# KiCad board BadgeClassBase.kicad_pcb
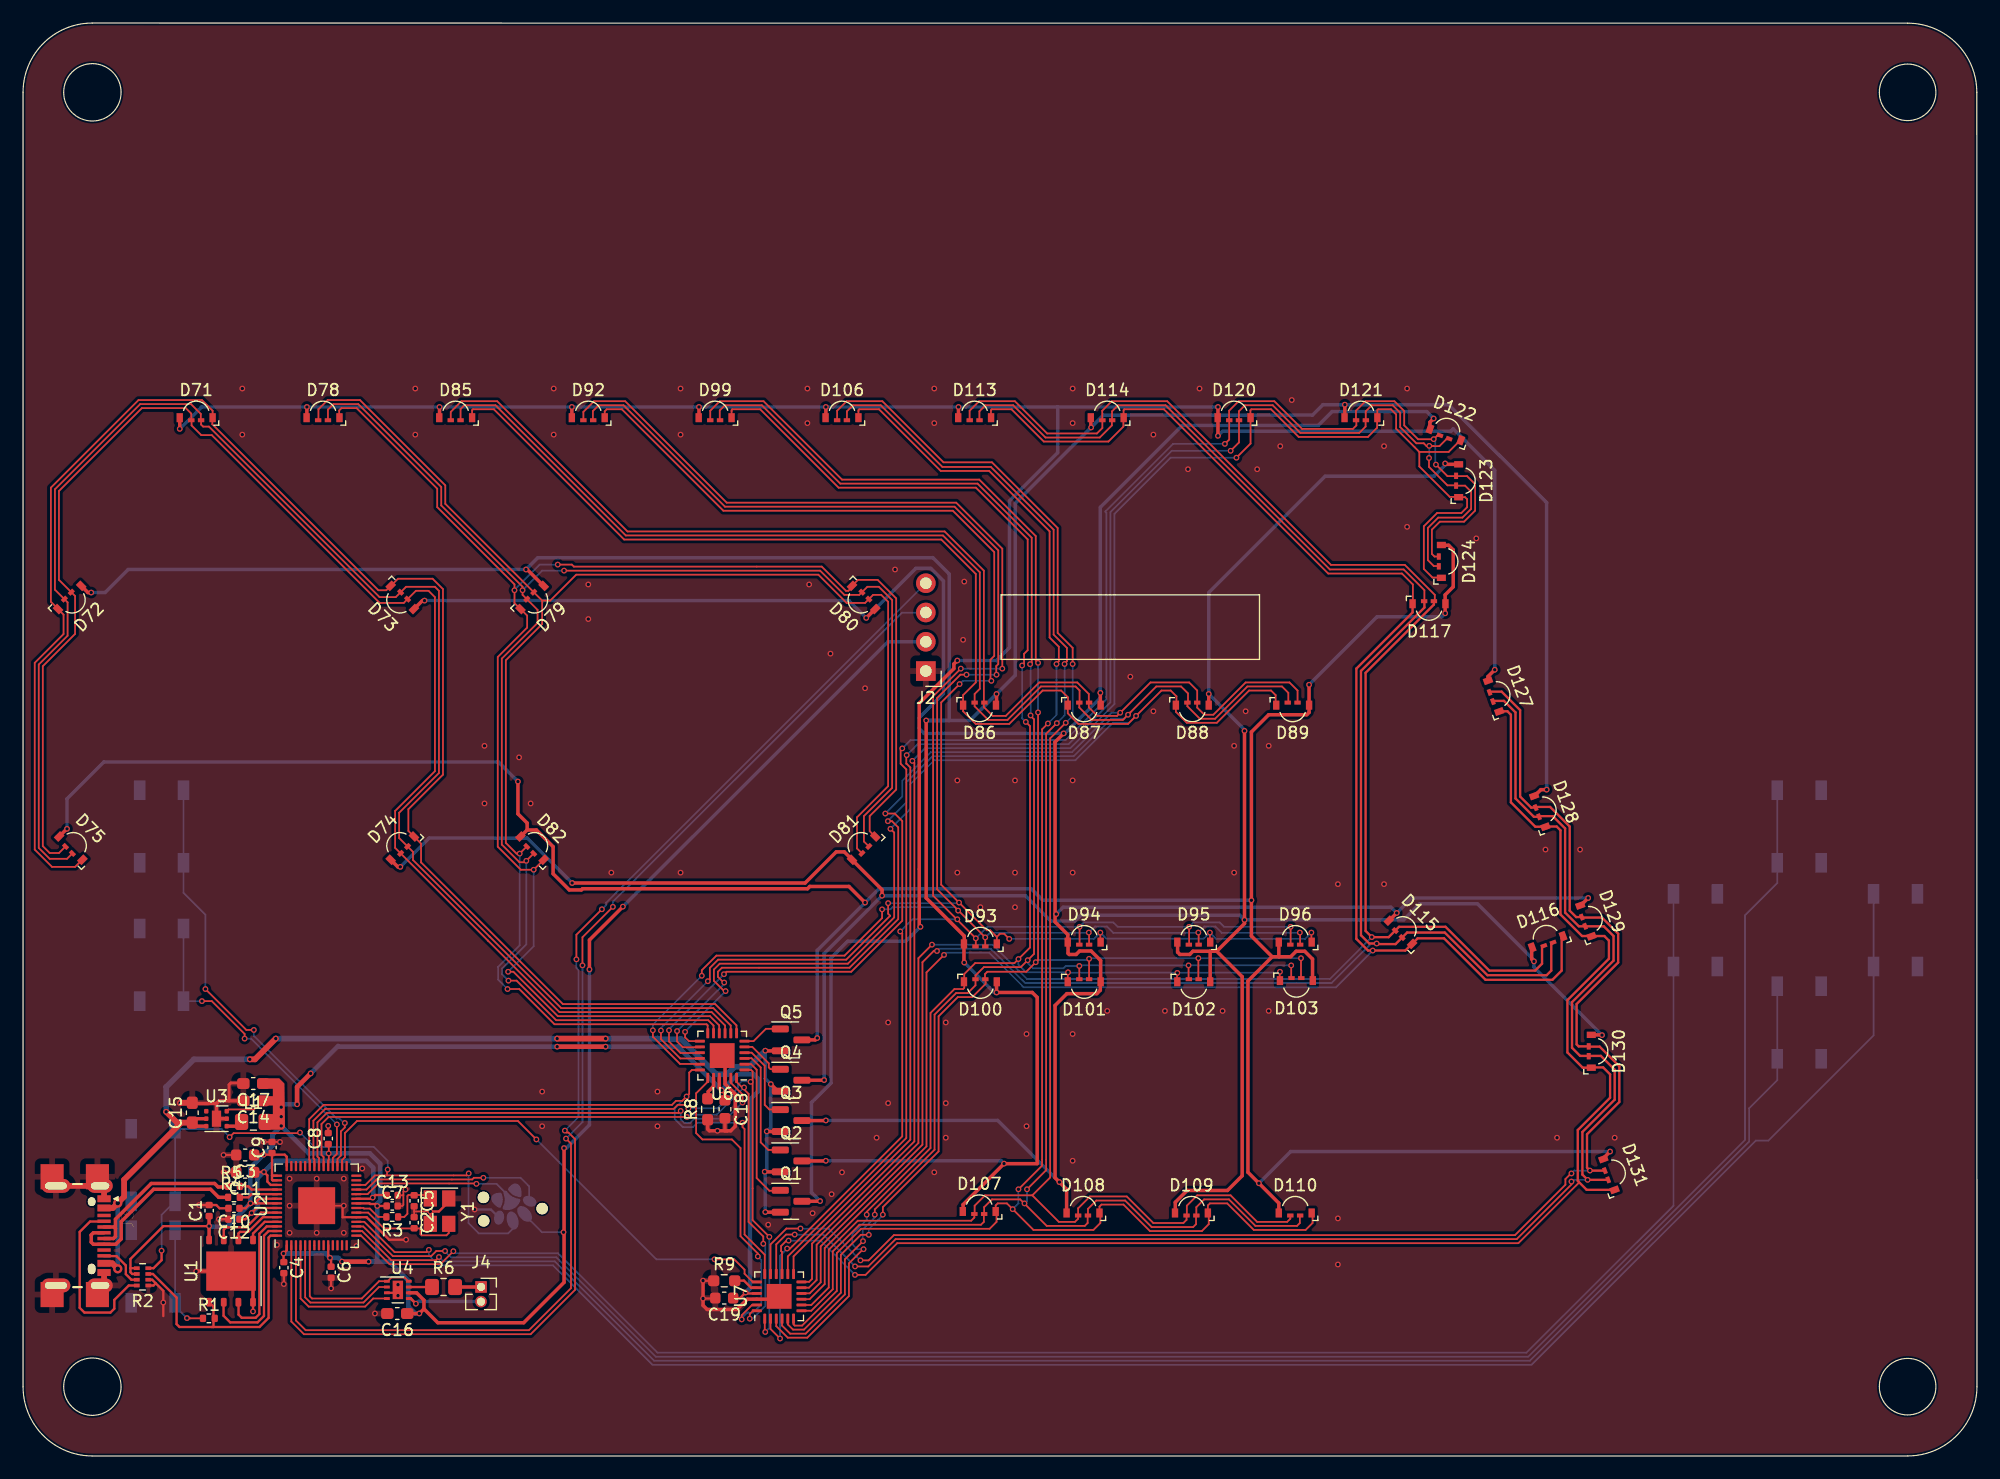
[diagram p0: board, top side]
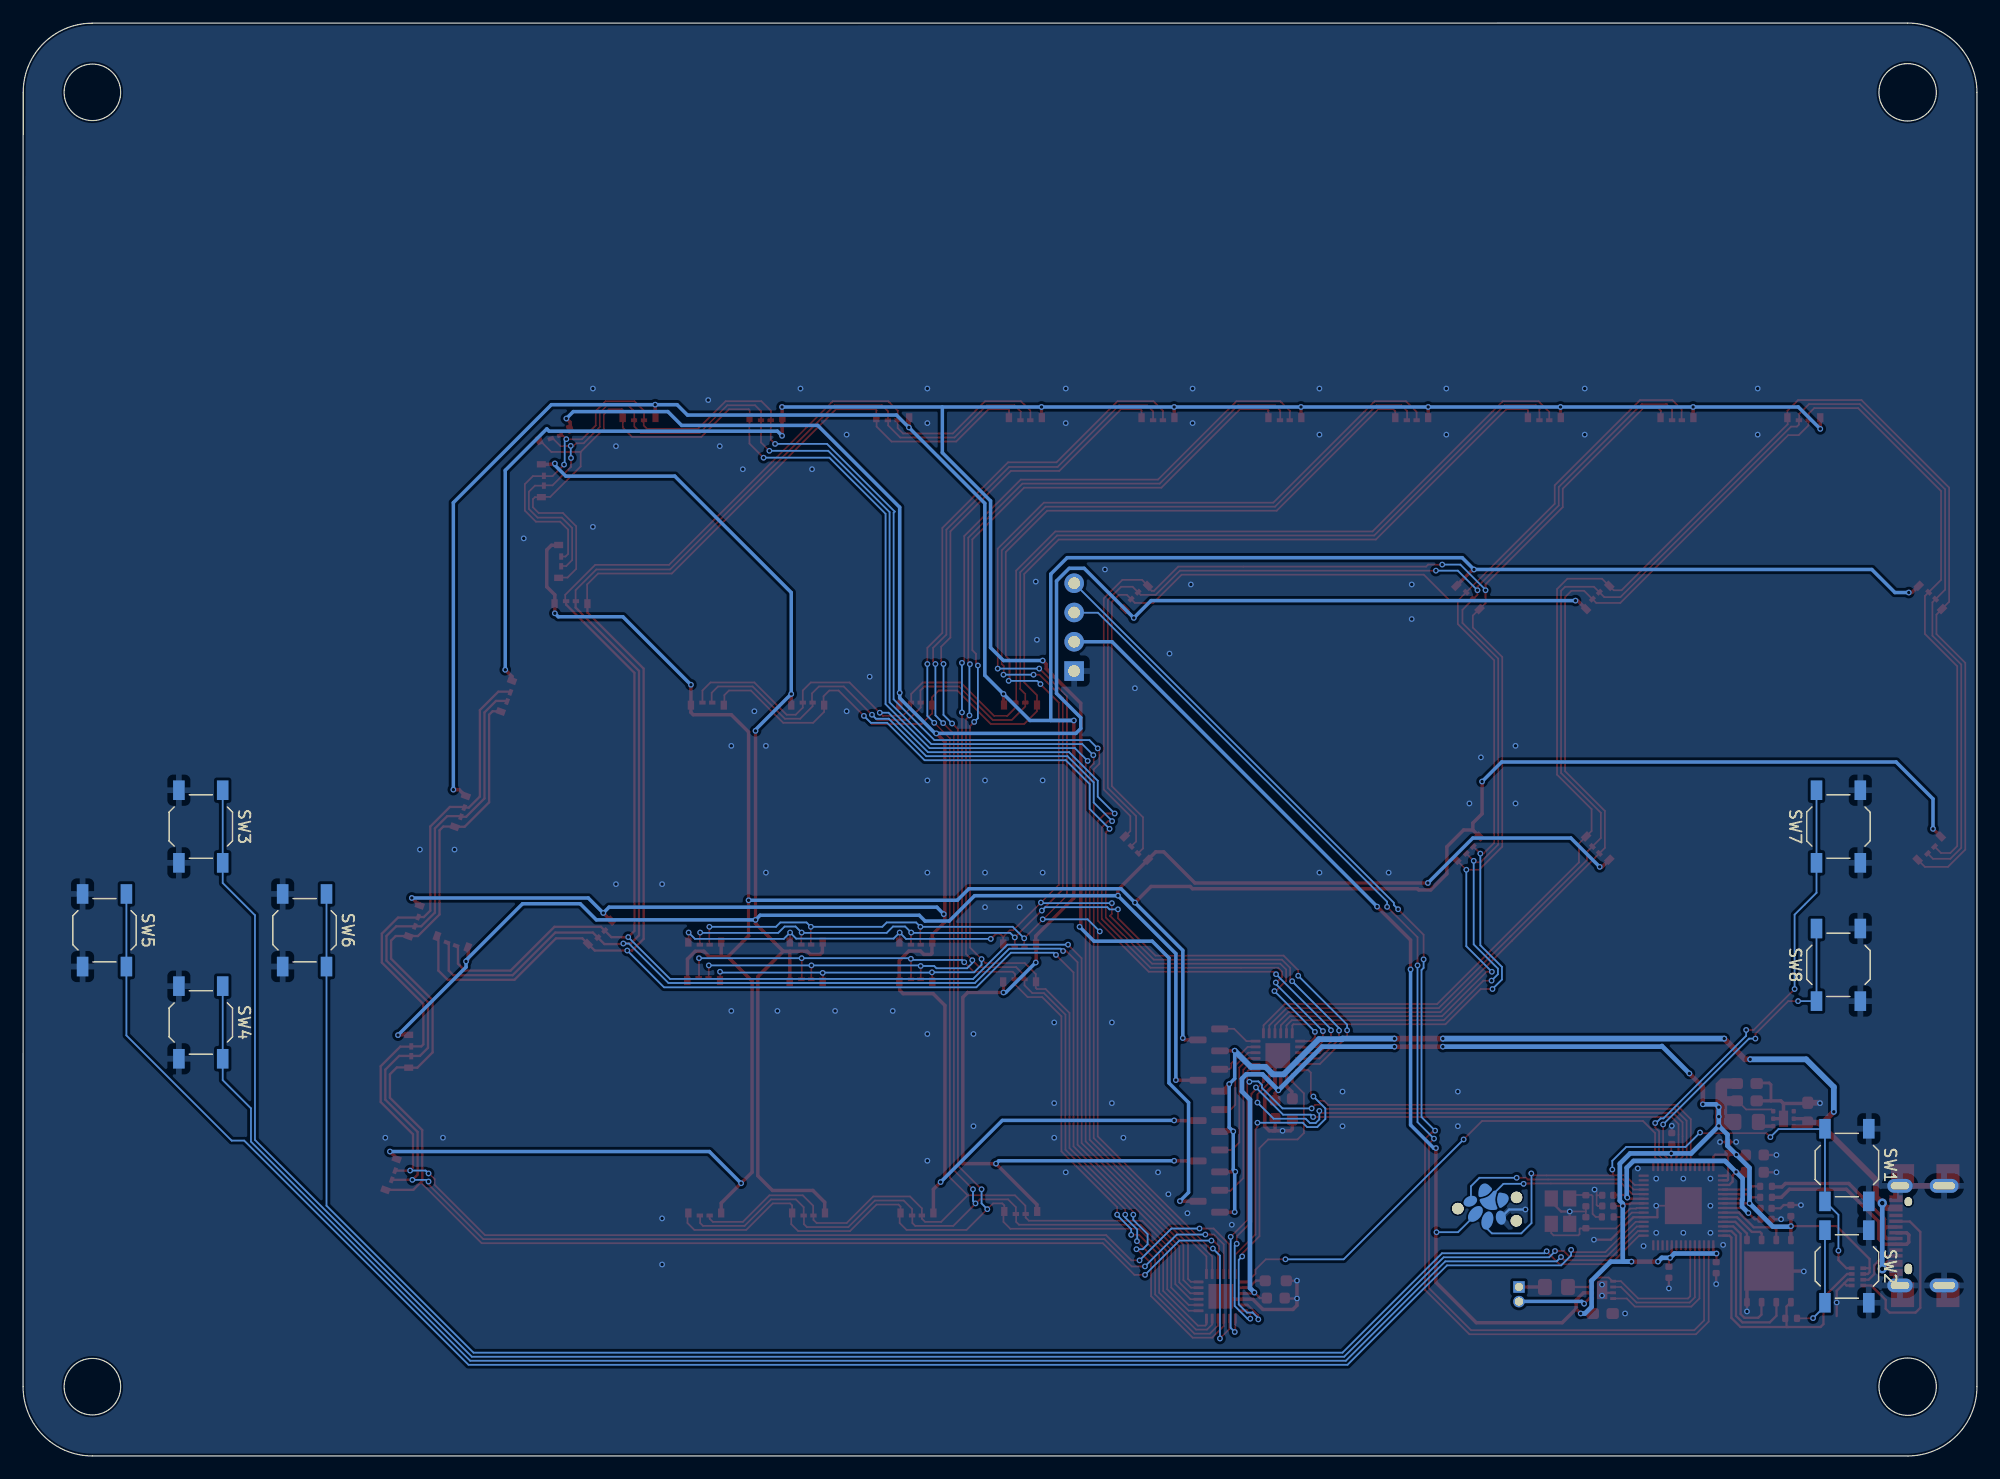
[diagram p1: board, bottom side, seen from below]

Outline 169.42 x 124.32 mm; copper layers: Top, Bottom. Coordinates in mm from the lower left corner of the outline.
Outline path: circle c6.01,118.31 r2.49 ; circle c6.01,6.01 r2.49 ; circle c163.41,118.31 r2.45 ; circle c163.41,6.01 r2.45 ; 0,6.02 0,118.33 arc(1.77,122.57) 6.02,124.32 163.41,124.31 arc(167.66,122.55) 169.41,118.3 169.42,5.99 arc(167.65,1.75) 163.4,0 5.99,0 arc(1.75,1.77) 0,6.02

## Placement (name value [footprint] x y rotation side)
C1  0.1uF  [C_0402_1005Metric]  16.14 21.29 90 top
C2  27pF  [C_0402_1005Metric]  33.91 20.24 270 top
C3  1uF  [C_0603_1608Metric]  19.26 26.11 180 top
C4  0.1uF  [C_0402_1005Metric]  22.61 16.34 270 top
C5  27pF  [C_0402_1005Metric]  33.91 22.14 270 top
C6  0.1uF  [C_0402_1005Metric]  26.71 15.94 270 top
C7  0.1uF  [C_0402_1005Metric]  32.01 21.69 0 top
C8  0.1uF  [C_0402_1005Metric]  26.46 27.54 90 top
C9  0.1uF  [C_0402_1005Metric]  21.59 26.76 90 top
C10  0.1uF  [C_0402_1005Metric]  18.29 21.49 180 top
C11  1uF  [C_0603_1608Metric]  19.26 24.61 180 top
C12  0.1uF  [C_0402_1005Metric]  18.29 20.54 180 top
C13  0.1uF  [C_0402_1005Metric]  32.01 22.61 0 top
C14  4.7uF  [C_0603_1608Metric_Pad1.08x0.95mm_HandSolder]  19.96 30.81 180 top
C15  4.7uF  [C_0603_1608Metric_Pad1.08x0.95mm_HandSolder]  14.67 29.78 90 top
C16  4.7uF  [C_0603_1608Metric_Pad1.08x0.95mm_HandSolder]  32.45 12.36 180 top
C17  DNP  [C_0603_1608Metric_Pad1.08x0.95mm_HandSolder]  19.96 32.31 180 top
C18  1uF  [C_0603_1608Metric]  60.86 30.08 270 top
C19  1uF  [C_0603_1608Metric]  60.8 13.7 180 top
D71  LED_RGBA  [LED_RGB_Everlight_EASV3015RGBA0_Horizontal]  15.01 90.61 180 top
D72  LED_RGBA  [LED_RGB_Everlight_EASV3015RGBA0_Horizontal]  4.41 74.11 45 top
D73  LED_RGBA  [LED_RGB_Everlight_EASV3015RGBA0_Horizontal]  32.51 74.11 315 top
D74  LED_RGBA  [LED_RGB_Everlight_EASV3015RGBA0_Horizontal]  32.51 53.11 225 top
D75  LED_RGBA  [LED_RGB_Everlight_EASV3015RGBA0_Horizontal]  4.51 53.11 135 top
D78  LED_RGBA  [LED_RGB_Everlight_EASV3015RGBA0_Horizontal]  26.01 90.61 180 top
D79  LED_RGBA  [LED_RGB_Everlight_EASV3015RGBA0_Horizontal]  44.51 74.11 45 top
D80  LED_RGBA  [LED_RGB_Everlight_EASV3015RGBA0_Horizontal]  72.51 74.11 315 top
D81  LED_RGBA  [LED_RGB_Everlight_EASV3015RGBA0_Horizontal]  72.51 53.11 225 top
D82  LED_RGBA  [LED_RGB_Everlight_EASV3015RGBA0_Horizontal]  44.51 53.11 135 top
D85  LED_RGBA  [LED_RGB_Everlight_EASV3015RGBA0_Horizontal]  37.51 90.61 180 top
D86  LED_RGBA  [LED_RGB_Everlight_EASV3015RGBA0_Horizontal]  82.94 64.61 0 top
D87  LED_RGBA  [LED_RGB_Everlight_EASV3015RGBA0_Horizontal]  92.01 64.61 0 top
D88  LED_RGBA  [LED_RGB_Everlight_EASV3015RGBA0_Horizontal]  101.39 64.61 0 top
D89  LED_RGBA  [LED_RGB_Everlight_EASV3015RGBA0_Horizontal]  110.09 64.61 0 top
D92  LED_RGBA  [LED_RGB_Everlight_EASV3015RGBA0_Horizontal]  49.01 90.61 180 top
D93  LED_RGBA  [LED_RGB_Everlight_EASV3015RGBA0_Horizontal]  83.01 44.96 180 top
D94  LED_RGBA  [LED_RGB_Everlight_EASV3015RGBA0_Horizontal]  92.01 45.11 180 top
D95  LED_RGBA  [LED_RGB_Everlight_EASV3015RGBA0_Horizontal]  101.51 45.11 180 top
D96  LED_RGBA  [LED_RGB_Everlight_EASV3015RGBA0_Horizontal]  110.31 45.11 180 top
D99  LED_RGBA  [LED_RGB_Everlight_EASV3015RGBA0_Horizontal]  60.01 90.61 180 top
D100  LED_RGBA  [LED_RGB_Everlight_EASV3015RGBA0_Horizontal]  83.01 40.61 0 top
D101  LED_RGBA  [LED_RGB_Everlight_EASV3015RGBA0_Horizontal]  92.01 40.61 0 top
D102  LED_RGBA  [LED_RGB_Everlight_EASV3015RGBA0_Horizontal]  101.51 40.61 0 top
D103  LED_RGBA  [LED_RGB_Everlight_EASV3015RGBA0_Horizontal]  110.41 40.71 0 top
D106  LED_RGBA  [LED_RGB_Everlight_EASV3015RGBA0_Horizontal]  71.01 90.61 180 top
D107  LED_RGBA  [LED_RGB_Everlight_EASV3015RGBA0_Horizontal]  82.91 21.74 180 top
D108  LED_RGBA  [LED_RGB_Everlight_EASV3015RGBA0_Horizontal]  91.91 21.61 180 top
D109  LED_RGBA  [LED_RGB_Everlight_EASV3015RGBA0_Horizontal]  101.31 21.61 180 top
D110  LED_RGBA  [LED_RGB_Everlight_EASV3015RGBA0_Horizontal]  110.31 21.61 180 top
D113  LED_RGBA  [LED_RGB_Everlight_EASV3015RGBA0_Horizontal]  82.51 90.61 180 top
D114  LED_RGBA  [LED_RGB_Everlight_EASV3015RGBA0_Horizontal]  94.01 90.61 180 top
D115  LED_RGBA  [LED_RGB_Everlight_EASV3015RGBA0_Horizontal]  119.81 45.81 135 top
D116  LED_RGBA  [LED_RGB_Everlight_EASV3015RGBA0_Horizontal]  132.01 45.11 200 top
D117  LED_RGBA  [LED_RGB_Everlight_EASV3015RGBA0_Horizontal]  121.91 73.41 0 top
D120  LED_RGBA  [LED_RGB_Everlight_EASV3015RGBA0_Horizontal]  105.01 90.61 180 top
D121  LED_RGBA  [LED_RGB_Everlight_EASV3015RGBA0_Horizontal]  116.01 90.61 180 top
D122  LED_RGBA  [LED_RGB_Everlight_EASV3015RGBA0_Horizontal]  123.51 89.11 160 top
D123  LED_RGBA  [LED_RGB_Everlight_EASV3015RGBA0_Horizontal]  125.01 84.61 90 top
D124  LED_RGBA  [LED_RGB_Everlight_EASV3015RGBA0_Horizontal]  123.51 77.61 90 top
D127  LED_RGBA  [LED_RGB_Everlight_EASV3015RGBA0_Horizontal]  128.01 66.11 110 top
D128  LED_RGBA  [LED_RGB_Everlight_EASV3015RGBA0_Horizontal]  132.01 56.11 110 top
D129  LED_RGBA  [LED_RGB_Everlight_EASV3015RGBA0_Horizontal]  136.01 46.61 110 top
D130  LED_RGBA  [LED_RGB_Everlight_EASV3015RGBA0_Horizontal]  136.51 35.11 90 top
D131  LED_RGBA  [LED_RGB_Everlight_EASV3015RGBA0_Horizontal]  138.01 24.61 110 top
FID1  Fiducial  [SqeakSqeak]  224.6 114.09 0 top
FID2  Fiducial  [OwO]  -74.74 159.36 0 top
J1  Conn_ARM_JTAG_SWD_6  [Paw-Connect_RevB_TC2030-IDC-NL_2x03_P1.27mm_Vertical]  42.05 21.73 28 bottom
J2  Conn_01x04_Pin  [OLED_Display]  96.01 71.91 0 top
J3  USB_C_Receptacle_USB2.0  [JAE_DX07S016JA1R1500]  5.95 19.11 270 top
J4  Conn_01x02_Pin  [PinSocket_1x02_P1.27mm_Vertical]  39.71 14.66 0 top
L1  2.2uH  [L_0805_2012Metric_Pad1.15x1.40mm_HandSolder]  19.97 28.98 0 top
Q1  BC807  [SOT-23]  66.6 22.1 0 top
Q2  BC807  [SOT-23]  66.6 25.6 0 top
Q3  BC807  [SOT-23]  66.6 29.1 0 top
Q4  BC807  [SOT-23]  66.6 32.6 0 top
Q5  BC807  [SOT-23]  66.6 36.1 0 top
R1  1k  [R_0402_1005Metric]  16.11 11.94 0 top
R2  5.2K  [R_Array_Concave_4x0402]  10.36 15.54 180 top
R3  1k  [R_0402_1005Metric]  32.01 20.74 180 top
R4  27  [R_0402_1005Metric]  18.29 22.44 0 top
R5  27  [R_0402_1005Metric]  18.29 23.39 0 top
R6  0  [R_0805_2012Metric_Pad1.20x1.40mm_HandSolder]  36.46 14.66 0 top
R8  10K  [R_0603_1608Metric_Pad0.98x0.95mm_HandSolder]  59.36 30.08 90 top
R9  10K  [R_0603_1608Metric_Pad0.98x0.95mm_HandSolder]  60.8 15.2 0 top
SW1  RESET  [SW_SPST_TL3342]  11.28 25.24 270 bottom
SW2  BOOTSEL  [SW_SPST_TL3342]  11.28 16.44 270 bottom
SW3  UP  [SW_SPST_TL3342]  154.01 54.61 270 bottom
SW4  DOWN  [SW_SPST_TL3342]  154.01 37.61 270 bottom
SW5  RIGHT  [SW_SPST_TL3342]  162.36 45.61 270 bottom
SW6  LEFT  [SW_SPST_TL3342]  145.01 45.61 270 bottom
SW7  ENTER  [SW_SPST_TL3342]  12.01 54.61 90 bottom
SW8  ESC  [SW_SPST_TL3342]  12.01 42.61 90 bottom
U1  W25Q32JVZP  [WSON-8-1EP_6x5mm_P1.27mm_EP3.4x4.3mm]  18.04 16.04 90 top
U2  RP2040  [QFN-56-1EP_7x7mm_P0.4mm_EP3.2x3.2mm]  25.46 21.71 90 top
U3  ~  [LFCSP-6-1EP_2x2mm_P0.65mm_EP1.4x0.8mm]  16.77 29.26 0 top
U4  ~  [WSON-8-1EP_2x2mm_P0.5mm_EP0.9x1.6mm]  32.5 14.41 0 top
U6  TLC5926IDBQR  [QFN-24-1EP_4x4mm_P0.5mm_EP2.15x2.15mm]  60.62 34.74 180 top
U7  TLC5926IDBQR  [QFN-24-1EP_4x4mm_P0.5mm_EP2.15x2.15mm]  65.56 13.85 90 top
Y1  12.0MHz  [Crystal_SMD_SeikoEpson_TSX3225-4Pin_3.2x2.5mm]  36.11 21.24 270 top

## Library data of the parts
C1 C4 C6-C10 C12 C13 = -: Description: Unpolarized capacitor, small symbol; Digikey: 1276-6844-1-ND
C2 C5 = -: Description: Unpolarized capacitor, small symbol; Digikey: 490-12651-1-ND
C3 C11 C18 C19 = -: Description: Unpolarized capacitor, small symbol; Digikey: 587-3467-1-ND
C14-C17 = -: Description: Unpolarized capacitor, small symbol
D71-D75 D78-D82 D85-D89 D92-D96 D99-D103 D106-D110 D113-D117 D120-D124 D127-D131 = -: Description: RGB LED, red/green/blue/anode
FID1 FID2 = -: Description: Fiducial Marker
J1 = -: Description: Cortex Debug Connector, standard ARM Cortex-M SWD and JTAG interface
J2 = -: Description: Generic connector, single row, 01x04, script generated
J3 = -: Description: USB 2.0-only Type-C Receptacle connector
J4 = -: Description: Generic connector, single row, 01x02, script generated
L1 = -: Description: Inductor; digikey: 535-AOTA-B201208S2R2MTCT-ND
Q1-Q5 = -: Description: 0.8A Ic, 45V Vce, PNP Transistor, SOT-23
R1 R3-R6 R8 R9 = -: Description: Resistor
R2 = -: Description: 4 resistor network, parallel topology, split
SW1-SW8 = -: Description: Push button switch, generic, two pins; digikey: CKN12215-1-ND
U1 = -: Description: 32Mb Serial Flash Memory, Standard/Dual/Quad SPI, DFN-8
U2 = -: Description: A microcontroller by Raspberry Pi
U3 = -: Description: IC REG BUCK 3.3V 1A 6WDFN
U4 = -: Digikey: 5503-TPM27224-DF4RCT-ND
U6 U7 = -: Description: 16-channel, constant-current sink LED driver, QFN-24
Y1 = -: Description: Four pin crystal, GND on pins 2 and 4, small symbol; Digikey: RH100-12.000-18-2020-EXT-TR

## Footprints (pads in the part's own frame, mm; a bottom-side part is the same pattern mirrored in y, then rotated)
C_0402_1005Metric
  rrect 0.56x0.62 smd: 1(-0.48,0) 2(0.48,0)
C_0603_1608Metric
  rrect 0.9x0.95 smd: 1(-0.775,0) 2(0.775,0)
C_0603_1608Metric_Pad1.08x0.95mm_HandSolder
  rrect 1.075x0.95 smd: 1(-0.863,0) 2(0.863,0)
Crystal_SMD_SeikoEpson_TSX3225-4Pin_3.2x2.5mm
  rect 1.4x1.15 smd: 1(-1.1,-0.8) 2(1.1,-0.8) 3(1.1,0.8) 4(-1.1,0.8)
JAE_DX07S016JA1R1500
  rect 1.4x2 smd: (-5.5,0.5) (-5.5,-3.43) (5.5,0.5) (5.5,-3.43)
  oval 0.75x0.65 hole 0.75x0.65 unplated: (-2.95,0)
  oval 0.9x0.65 hole 0.9x0.65 unplated: (2.89,0)
  rect 0.6x1.15 smd: A1(-3.2,1.075) A4(-2.4,1.075) B1(3.2,1.075) B4(2.4,1.075)
  rect 0.3x1.15 smd: A5(-1.25,1.075) A6(-0.25,1.075) A7(0.25,1.075) A8(1.25,1.075) B5(1.75,1.075) B6(0.75,1.075) B7(-0.75,1.075) B8(-1.75,1.075)
  rect 2.18x2 smd: S1(-5.11,0.5) S1(-5.11,-3.43) S1(5.11,0.5) S1(5.11,-3.43)
  oval 1.2x2.2 hole 0.6x1.6: S1(-4.32,0.725) S1(4.32,0.725)
  oval 1.2x2.5 hole 0.6x1.9: S1(-4.32,-3.1) S1(4.32,-3.1)
L_0805_2012Metric_Pad1.15x1.40mm_HandSolder
  rrect 1.15x1.4 smd: 1(-1.025,0) 2(1.025,0)
LED_RGB_Everlight_EASV3015RGBA0_Horizontal
  rect 0.55x0.78 smd: 1(-1.425,0.53) 4(1.425,0.53)
  rect 0.55x0.34 smd: 2(-0.425,0.75) 3(0.425,0.75)
LFCSP-6-1EP_2x2mm_P0.65mm_EP1.4x0.8mm
  rrect 0.3x0.54 smd: (-0.2,0.38) (-0.2,-0.38) (0.2,0.38) (0.2,-0.38)
  rrect 0.375x0.4 smd: 1(-0.887,0.65) 2(-0.887,0) 3(-0.887,-0.65) 4(0.887,-0.65) 5(0.887,0) 6(0.887,0.65)
  rect 0.8x1.4 smd: 7(0,0)
OLED_Display
  rect 1.7x1.7 hole 1: 1(-17.73,-3.81)
  oval 1.7x1.7 hole 1: 2(-17.73,-1.27) 3(-17.73,1.27) 4(-17.73,3.81)
Paw-Connect_RevB_TC2030-IDC-NL_2x03_P1.27mm_Vertical
  round 0.991 hole 0.991 unplated: (-2.489,0.185) (-1.551,-1.617) (2.486,1.63)
  custom 1.279x1.371 smd rot 152.5: 1(0.93,1.28)
  custom 1.171x0.944 smd rot 152.5: 2(1.82,0.56)
  custom 1.034x1.568 smd rot 152.5: 3(-0.27,1.3)
  custom 1.542x1.679 smd rot 152.5: 4(0.32,-1.09)
  custom 0.884x1.219 smd rot 152.5: 5(-1.18,0.58)
  custom 1.052x1.297 smd: 6(-0.56,-0.89)
  custom 1.05x1.298 smd: 7(1.2,-0.89)
PinSocket_1x02_P1.27mm_Vertical
  rect 1x1 hole 0.7: 1(0,0)
  oval 1x1 hole 0.7: 2(0,-1.27)
QFN-24-1EP_4x4mm_P0.5mm_EP2.15x2.15mm
  rrect 0.87x0.87 smd: (-0.54,0.54) (-0.54,-0.54) (0.54,0.54) (0.54,-0.54)
  rrect 0.875x0.25 smd: 1(-1.938,1.25) 2(-1.938,0.75) 3(-1.938,0.25) 4(-1.938,-0.25) 5(-1.938,-0.75) 6(-1.938,-1.25) 13(1.938,-1.25) 14(1.938,-0.75) 15(1.938,-0.25) 16(1.938,0.25) 17(1.938,0.75) 18(1.938,1.25)
  rrect 0.25x0.875 smd: 7(-1.25,-1.938) 8(-0.75,-1.938) 9(-0.25,-1.938) 10(0.25,-1.938) 11(0.75,-1.938) 12(1.25,-1.938) 19(1.25,1.938) 20(0.75,1.938) 21(0.25,1.938) 22(-0.25,1.938) 23(-0.75,1.938) 24(-1.25,1.938)
  rect 2.15x2.15 smd: 25(0,0)
QFN-56-1EP_7x7mm_P0.4mm_EP3.2x3.2mm
  rrect 1.29x1.29 smd: (-0.8,0.8) (-0.8,-0.8) (0.8,0.8) (0.8,-0.8)
  rrect 0.875x0.2 smd: 1(-3.438,2.6) 2(-3.438,2.2) 3(-3.438,1.8) 4(-3.438,1.4) 5(-3.438,1) 6(-3.438,0.6) 7(-3.438,0.2) 8(-3.438,-0.2) 9(-3.438,-0.6) 10(-3.438,-1) 11(-3.438,-1.4) 12(-3.438,-1.8) 13(-3.438,-2.2) 14(-3.438,-2.6) 29(3.438,-2.6) 30(3.438,-2.2) 31(3.438,-1.8) 32(3.438,-1.4) 33(3.438,-1) 34(3.438,-0.6) 35(3.438,-0.2) 36(3.438,0.2) 37(3.438,0.6) 38(3.438,1) 39(3.438,1.4) 40(3.438,1.8) 41(3.438,2.2) 42(3.438,2.6)
  rrect 0.2x0.875 smd: 15(-2.6,-3.438) 16(-2.2,-3.438) 17(-1.8,-3.438) 18(-1.4,-3.438) 19(-1,-3.438) 20(-0.6,-3.438) 21(-0.2,-3.438) 22(0.2,-3.438) 23(0.6,-3.438) 24(1,-3.438) 25(1.4,-3.438) 26(1.8,-3.438) 27(2.2,-3.438) 28(2.6,-3.438) 43(2.6,3.438) 44(2.2,3.438) 45(1.8,3.438) 46(1.4,3.438) 47(1,3.438) 48(0.6,3.438) 49(0.2,3.438) 50(-0.2,3.438) 51(-0.6,3.438) 52(-1,3.438) 53(-1.4,3.438) 54(-1.8,3.438) 55(-2.2,3.438) 56(-2.6,3.438)
  rect 3.2x3.2 smd: 57(0,0)
R_0402_1005Metric
  rrect 0.54x0.64 smd: 1(-0.51,0) 2(0.51,0)
R_0603_1608Metric_Pad0.98x0.95mm_HandSolder
  rrect 0.975x0.95 smd: 1(-0.912,0) 2(0.912,0)
R_0805_2012Metric_Pad1.20x1.40mm_HandSolder
  rrect 1.2x1.4 smd: 1(-1,0) 2(1,0)
R_Array_Concave_4x0402
  rect 0.5x0.32 smd: 1(-0.5,0.75) 2(-0.5,0.25) 3(-0.5,-0.25) 4(-0.5,-0.75) 5(0.5,-0.75) 6(0.5,-0.25) 7(0.5,0.25) 8(0.5,0.75)
SOT-23
  rrect 1.475x0.6 smd: 1(-0.938,0.95) 2(-0.938,-0.95) 3(0.938,0)
SW_SPST_TL3342
  rect 1.7x1 smd: 1(-3.15,1.9) 1(3.15,1.9) 2(-3.15,-1.9) 2(3.15,-1.9)
WSON-8-1EP_2x2mm_P0.5mm_EP0.9x1.6mm
  rect 0.75x0.65 smd: (0,0.4) (0,-0.4)
  rect 0.5x0.25 smd: 1(-0.95,0.75) 2(-0.95,0.25) 3(-0.95,-0.25) 4(-0.95,-0.75) 5(0.95,-0.75) 6(0.95,-0.25) 7(0.95,0.25) 8(0.95,0.75)
  rect 0.9x1.6 smd: 9(0,0)
WSON-8-1EP_6x5mm_P1.27mm_EP3.4x4.3mm
  rrect 1.37x1.73 smd: (-0.85,1.075) (-0.85,-1.075) (0.85,1.075) (0.85,-1.075)
  rrect 0.75x0.5 smd: 1(-2.7,1.905) 2(-2.7,0.635) 3(-2.7,-0.635) 4(-2.7,-1.905) 5(2.7,-1.905) 6(2.7,-0.635) 7(2.7,0.635) 8(2.7,1.905)
  rect 3.4x4.3 smd: 9(0,0)

## Nets
+1V1: C11.1 C12.1 C13.1 U2.23 U2.45 U2.50
+3.3V: C1.1 C3.1 C4.1 C6.1 C7.1 C8.1 C9.1 C10.1 C14.1 C16.1 C17.1 C18.1 C19.1 J1.1 J2.2 L1.2 R2.5 R2.6 U1.8 U2.1 U2.10 U2.22 U2.33 U2.42 U2.43 U2.44 U2.48 U2.49 U3.6 U4.6 U6.21 U7.21
GND: C1.2 C2.1 C3.2 C4.2 C5.2 C6.2 C7.2 C8.2 C9.2 C10.2 C11.2 C12.2 C13.2 C14.2 C15.2 C16.2 C17.2 C18.2 C19.2 J1.5 J2.1 J3.A1 J3.B1 J3.S1 R2.1 R2.2 R8.1 R9.1 SW1.1 SW2.1 SW3.2 SW4.2 SW5.2 SW6.2 SW7.2 SW8.2 U1.4 U1.9 U2.19 U2.57 U3.5 U3.7 U4.3 U4.9 U6.22 U6.25 U7.22 U7.25 Y1.2 Y1.4
VBUS: C15.1 J3.A4 J3.B4 Q1.2 Q2.2 Q3.2 Q4.2 Q5.2 U3.2 U3.3
/BOOTSEL: R1.1 SW2.2
/CC1: J3.A5 R2.8
/CC2: J3.B5 R2.7
/DM: R5.2 U2.46
/DP: R4.2 U2.47
/QSPI_D0: U1.5 U2.53
/QSPI_D1: U1.2 U2.55
/QSPI_D2: U1.3 U2.54
/QSPI_D3: U1.7 U2.51
/QSPI_SCLK: U1.6 U2.52
/RP2040_SWCLK: J1.4 U2.24
/RP2040_SWDIO: J1.2 U2.25
/XIN: C2.2 U2.20 Y1.3
/XOUT: R3.2 U2.21
/~{QSPI_CS}: R1.2 R2.3 U1.1 U2.56
/~{RESET}: J1.3 R2.4 SW1.2 U2.26
B_DOWN: SW4.1 U2.16
B_ENTER: SW7.1 U2.31
B_ESC: SW8.1 U2.32
B_LEFT: SW6.1 U2.15
B_RIGHT: SW5.1 U2.18
B_UP: SW3.1 U2.17
D+: J3.A6 J3.B6 R4.1
D-: J3.A7 J3.B7 R5.1
DISP_SCK: J2.3 U2.3
DISP_SDA: J2.4 U2.2
LED_BLANK: U2.37 U6.18 U7.18
LED_CLK: U2.34 U6.24 U7.24
LED_DATA: U2.35 U6.23
LED_DATA_RET: U2.30 U7.19
LED_LATCH: U2.36 U6.1 U7.1
SPKR+: U2.4 U4.4
SPKR-: U2.5 U4.2
SPKR_EN: U2.6 U4.1 U4.8
Net-(C5-Pad1): C5.1 R3.1 Y1.1
Net-(D71-BK): D71.3 D72.3 D73.3 D74.3 D75.3 U6.9
Net-(D71-GK): D71.2 D72.2 D73.2 D74.2 D75.2 U6.8
Net-(D71-RK): D71.1 D72.1 D73.1 D74.1 D75.1 U6.7
Net-(D78-BK): D78.3 D79.3 D80.3 D81.3 D82.3 U6.12
Net-(D78-GK): D78.2 D79.2 D80.2 D81.2 D82.2 U6.11
Net-(D78-RK): D78.1 D79.1 D80.1 D81.1 D82.1 U6.10
Net-(D85-BK): D85.3 D86.3 D87.3 D88.3 D89.3 U6.15
Net-(D85-GK): D85.2 D86.2 D87.2 D88.2 D89.2 U6.14
Net-(D85-RK): D85.1 D86.1 D87.1 D88.1 D89.1 U6.13
Net-(D92-BK): D92.3 D93.3 D94.3 D95.3 D96.3 U7.2
Net-(D92-GK): D92.2 D93.2 D94.2 D95.2 D96.2 U6.17
Net-(D92-RK): D92.1 D93.1 D94.1 D95.1 D96.1 U6.16
Net-(D100-A): D72.4 D79.4 D86.4 D93.4 D100.4 D107.4 D114.4 D121.4 D128.4 Q2.3
Net-(D100-BK): D99.3 D100.3 D101.3 D102.3 D103.3 U7.5
Net-(D100-GK): D99.2 D100.2 D101.2 D102.2 D103.2 U7.4
Net-(D100-RK): D99.1 D100.1 D101.1 D102.1 D103.1 U7.3
Net-(D101-A): D73.4 D80.4 D87.4 D94.4 D101.4 D108.4 D115.4 D122.4 D129.4 Q3.3
Net-(D102-A): D74.4 D81.4 D88.4 D95.4 D102.4 D109.4 D116.4 D123.4 D130.4 Q4.3
Net-(D103-A): D75.4 D82.4 D89.4 D96.4 D103.4 D110.4 D117.4 D124.4 D131.4 Q5.3
Net-(D106-A): D71.4 D78.4 D85.4 D92.4 D99.4 D106.4 D113.4 D120.4 D127.4 Q1.3
Net-(D106-BK): D106.3 D107.3 D108.3 D109.3 D110.3 U7.8
Net-(D106-GK): D106.2 D107.2 D108.2 D109.2 D110.2 U7.7
Net-(D106-RK): D106.1 D107.1 D108.1 D109.1 D110.1 U7.6
Net-(D113-BK): D113.3 D114.3 D115.3 D116.3 D117.3 U7.11
Net-(D113-GK): D113.2 D114.2 D115.2 D116.2 D117.2 U7.10
Net-(D113-RK): D113.1 D114.1 D115.1 D116.1 D117.1 U7.9
Net-(D120-BK): D120.3 D121.3 D122.3 D123.3 D124.3 U7.14
Net-(D120-GK): D120.2 D121.2 D122.2 D123.2 D124.2 U7.13
Net-(D120-RK): D120.1 D121.1 D122.1 D123.1 D124.1 U7.12
Net-(D127-BK): D127.3 D128.3 D129.3 D130.3 D131.3 U7.17
Net-(D127-GK): D127.2 D128.2 D129.2 D130.2 D131.2 U7.16
Net-(D127-RK): D127.1 D128.1 D129.1 D130.1 D131.1 U7.15
Net-(J4-Pin_1): J4.1 R6.2
Net-(J4-Pin_2): J4.2 U4.5
Net-(Q1-B): Q1.1 U6.2
Net-(Q2-B): Q2.1 U6.3
Net-(Q3-B): Q3.1 U6.4
Net-(Q4-B): Q4.1 U6.5
Net-(Q5-B): Q5.1 U6.6
Net-(U3-LX): L1.1 U3.4
Net-(U4-O_{a}): R6.1 U4.7
Net-(U6-IREF): R8.2 U6.20
Net-(U6-SDO): U6.19 U7.23
Net-(U7-IREF): R9.2 U7.20

Pads without a net: J1 6 7; J3 A8 B8; U2 7 8 9 11 12 13 14 27 28 29 38 39 40 41; U3 1

## Via types
v1: diameter 0.5, hole 0.3, Top to Bottom, 359 vias
v2: diameter 0.8, hole 0.4, Top to Bottom, 2 vias
